# Altium PCB Carte_Alim.PcbDoc (part 1 of 2) (continued)
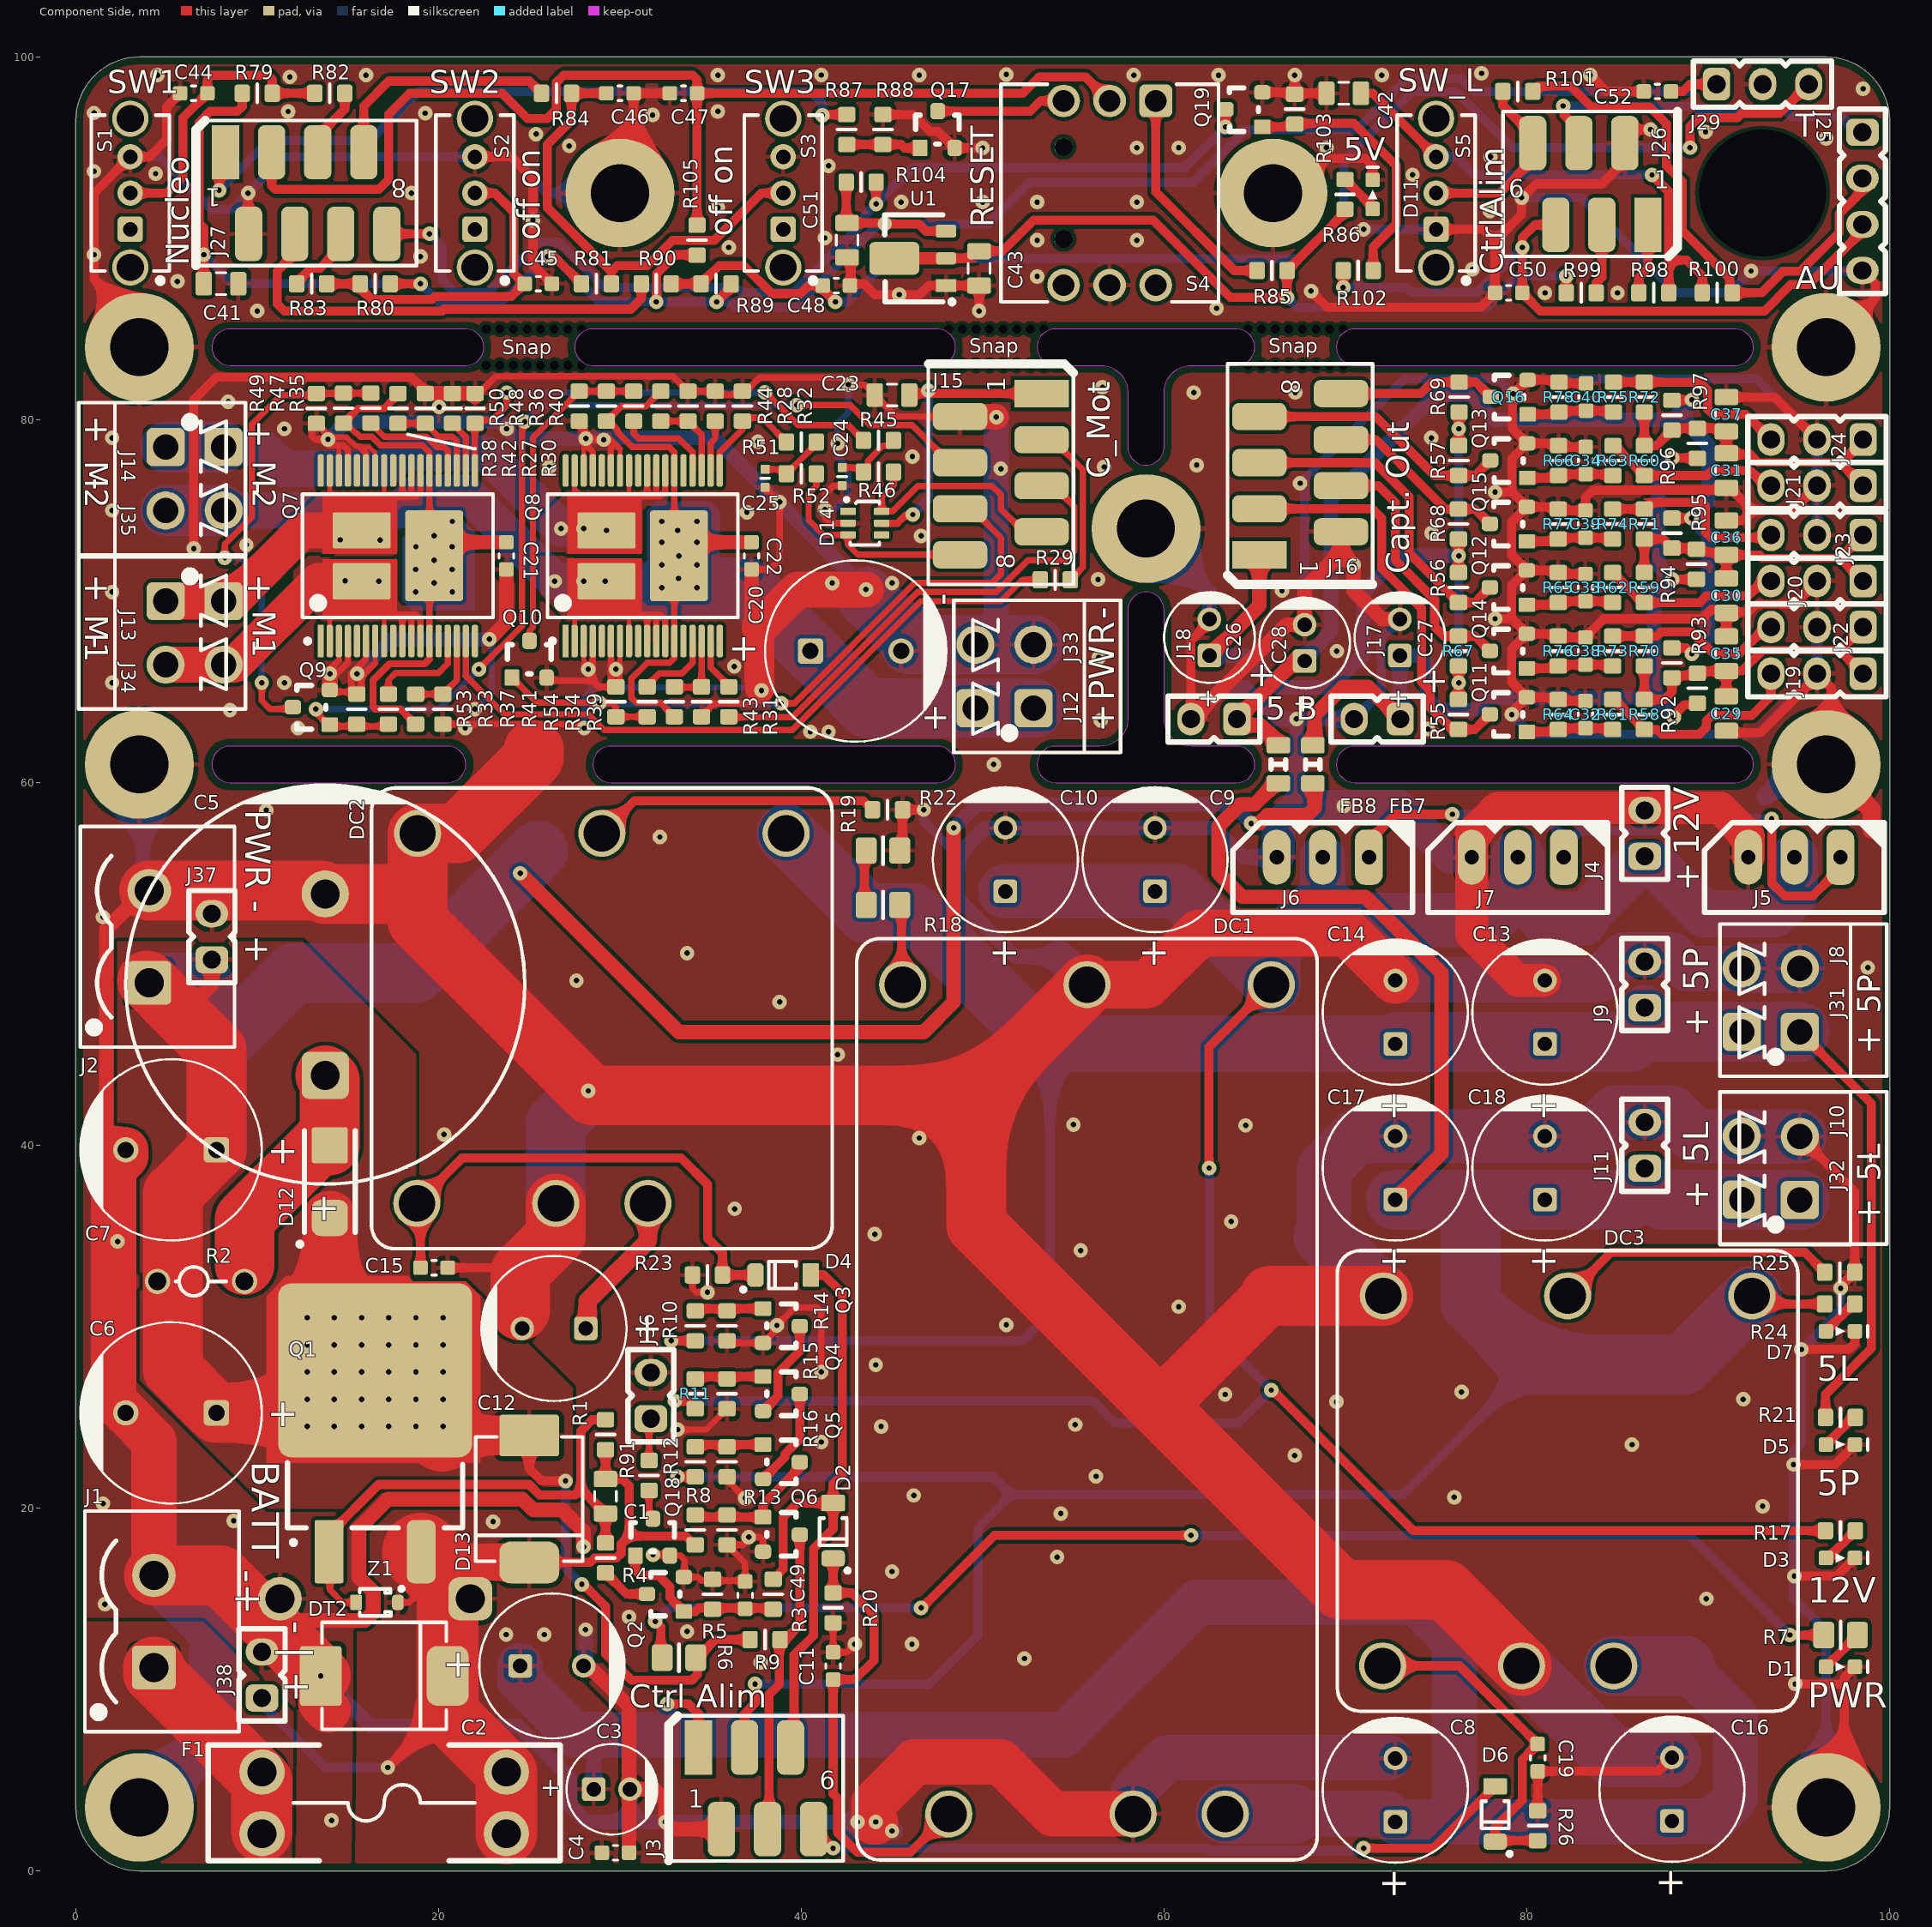
[diagram p0: Component Side view]
## Components (designator, comment, footprint, x,y, rotation, side; value= is the part's Value field where it differs from the comment) (continued)
Q16 "2N7002" SOT-23 79.02,81.25 r90 top
Q17 "2N7002" SOT-23 47.5,96 r0 top
Q18 "2N7002" SOT-23 31.8,18.396 r0 top
Q19 "2N7002" SOT-23 64.4,97.1 r90 top
R1 "RC0603FR-0710KL" RESC1608X06N 29.2,24.05 r270 top value=10k
R2 "1k" RESADV480W80L1200D390 6.9,32.5 r0 top
R3 "RC0603FR-0710KL" RESC1608X06N 38.45,15.25 r270 top value=10k
R4 "RC0603FR-0710KL" RESC1608X06N 29.2,17.25 r270 top value=10k
R5 "RC0603FR-0710KL" RESC1608X06N 35.1,15.25 r90 top value=10k
R6 "RC0805FR-072K7L" RESC2012X06N 33.25,11.75 r180 top value=2.7k
R7 "RC0805FR-072K7L" RESC2012X06N 97.3,13 r180 top value=2.7k
R8 "RC0603FR-0710KL" RESC1608X06N 34.15,18.8 r270 top value=10k
R9 "RC0603FR-071KL" RESC1608X06N 38,12.75 r180 top value=1k
R10 "RC0603FR-071KL" RESC1608X06N 34.15,30.05 r270 top value=1k
R11 "RC0603FR-071KL" RESC1608X06N 34.15,26.3 r270 top value=1k
R12 "RC0603FR-071KL" RESC1608X06N 34.15,22.55 r270 top value=1k
R13 "RC0603FR-0710KL" RESC1608X06N 35.9,18.8 r90 top value=10k
R14 "RC0603FR-0710KL" RESC1608X06N 35.9,30.05 r90 top value=10k
R15 "RC0603FR-0710KL" RESC1608X06N 35.9,26.3 r90 top value=10k
R16 "RC0603FR-0710KL" RESC1608X06N 35.9,22.55 r90 top value=10k
R17 "RC0603FR-071K8L" RESC1608X06N 97.29,18.75 r180 top value=1.8k
R18 "RC0805FR-072K7L" RESC2012X06N 44.5,53.25 r180 top value=2.7k
R19 "RC0805FR-072K7L" RESC2012X06N 44.5,56.25 r0 top value=2.7k
R20 "RC0603FR-0710KL" RESC1608X06N 41.75,14.5 r90 top value=10k
R21 "RC0603FR-071KL" RESC1608X06N 97.29,25 r0 top value=1k
R22 "RC0603FR-0710KL" RESC1608X06N 44.75,58.5 r0 top value=10k
R23 "RC0603FR-0710KL" RESC1608X06N 34.825,32.85 r0 top value=10k
R24 "RC0603FR-071KL" RESC1608X06N 97.25,31.25 r0 top value=1k
R25 "RC0603FR-0710KL" RESC1608X06N 97.25,33 r0 top value=10k
R26 "RC0603FR-0710KL" RESC1608X06N 80.6,2.49 r270 top value=10k
R27 "RC0603FR-0710KL" RESC1608X06N 20.759,80.625 r270 top value=10k
R28 "RC0603FR-0710KL" RESC1608X06N 35.25,80.75 r270 top value=10k
R29 "RC0603FR-071KL" RESC1608X06N 54,71.175 r180 top value=1k
R30 "RC0603FR-07620RL" RESC1608X06N 22.009,80.625 r270 top value=620
R31 "RC0603FR-071KL" RESC1608X06N 36,64.452 r90 top value=1k
R32 "RC0603FR-07620RL" RESC1608X06N 36.75,80.75 r270 top value=620
R33 "RC0603FR-071KL" RESC1608X06N 17.234,64.047 r90 top value=1k
R34 "RC0603FR-071KL" RESC1608X06N 31.5,64.453 r90 top value=1k
R35 "RC0603FR-071KL" RESC1608X06N 16.259,80.64 r270 top value=1k
R36 "RC0603FR-071KL" RESC1608X06N 30.75,80.75 r270 top value=1k
R37 "RC0603FR-0710KL" RESC1608X06N 18.734,64.047 r270 top value=10k
R38 "RC0603FR-0710KL" RESC1608X06N 17.759,80.625 r90 top value=10k
R39 "RC0603FR-0710KL" RESC1608X06N 33,64.453 r270 top value=10k
R40 "RC0603FR-0710KL" RESC1608X06N 32.25,80.75 r90 top value=10k
R41 "RC0603FR-071KL" RESC1608X06N 20.234,64.047 r90 top value=1k
R42 "RC0603FR-071KL" RESC1608X06N 19.259,80.625 r270 top value=1k
R43 "RC0603FR-071KL" RESC1608X06N 34.5,64.453 r90 top value=1k
R44 "RC0603FR-071KL" RESC1608X06N 33.75,80.75 r270 top value=1k
R45 "RC0603FR-0710KL" RESC1608X06N 44.25,78.865 r0 top value=10k
R46 "RC0603FR-071KL" RESC1608X06N 44.25,77.115 r0 top value=1k
R47 "RC0603FR-0710KL" RESC1608X06N 14.759,80.64 r270 top value=10k
R48 "RC0603FR-0710KL" RESC1608X06N 29.25,80.75 r270 top value=10k
R49 "RC0603FR-071K8L" RESC1608X06N 13.259,80.625 r90 top value=1.8k
R50 "RC0603FR-071K8L" RESC1608X06N 27.75,80.75 r90 top value=1.8k
R51 "RC0603FR-0710KL" RESC1608X06N 40,78.77 r0 top value=10k
R52 "RC0603FR-071KL" RESC1608X06N 40,77.02 r0 top value=1k
R53 "RC0603FR-0710KL" RESC1608X06N 15.484,64.047 r270 top value=10k
R54 "RC0603FR-0710KL" RESC1608X06N 29.776,64.453 r270 top value=10k
R55 "RC0603FR-0710KL" RESC1608X06N 76.23,63.75 r90 top value=10k
R56 "RC0603FR-0710KL" RESC1608X06N 76.23,70.75 r90 top value=10k
R57 "RC0603FR-0710KL" RESC1608X06N 76.25,77.75 r90 top value=10k
R58 "RC0603FR-0710KL" RESC1608X06N 86.48,63.75 r90 top value=10k
R59 "RC0603FR-0710KL" RESC1608X06N 86.48,70.75 r90 top value=10k
R60 "RC0603FR-0710KL" RESC1608X06N 86.48,77.75 r90 top value=10k
R61 "RC0603FR-0710KL" RESC1608X06N 84.73,63.75 r270 top value=10k
R62 "RC0603FR-0710KL" RESC1608X06N 84.73,70.75 r270 top value=10k
R63 "RC0603FR-0710KL" RESC1608X06N 84.75,77.75 r270 top value=10k
R64 "RC0603FR-0710KL" RESC1608X06N 81.73,63.75 r270 top value=10k
R65 "RC0603FR-0710KL" RESC1608X06N 81.73,70.75 r270 top value=10k
R66 "RC0603FR-0710KL" RESC1608X06N 81.75,77.75 r270 top value=10k
R67 "RC0603FR-0710KL" RESC1608X06N 76.23,67.25 r270 top value=10k
R68 "RC0603FR-0710KL" RESC1608X06N 76.23,74.25 r270 top value=10k
R69 "RC0603FR-0710KL" RESC1608X06N 76.27,81.25 r270 top value=10k
R70 "RC0603FR-0710KL" RESC1608X06N 86.48,67.25 r270 top value=10k
R71 "RC0603FR-0710KL" RESC1608X06N 86.48,74.25 r270 top value=10k
R72 "RC0603FR-0710KL" RESC1608X06N 86.48,81.25 r270 top value=10k
R73 "RC0603FR-0710KL" RESC1608X06N 84.73,67.25 r270 top value=10k
R74 "RC0603FR-0710KL" RESC1608X06N 84.73,74.25 r270 top value=10k
R75 "RC0603FR-0710KL" RESC1608X06N 84.77,81.25 r270 top value=10k
R76 "RC0603FR-0710KL" RESC1608X06N 81.73,67.25 r270 top value=10k
R77 "RC0603FR-0710KL" RESC1608X06N 81.73,74.25 r270 top value=10k
R78 "RC0603FR-0710KL" RESC1608X06N 81.77,81.25 r270 top value=10k
R79 "RC0603FR-0710KL" RESC1608X06N 10,98 r180 top value=10k
R80 "RC0603FR-0710KL" RESC1608X06N 16.5,87.5 r0 top value=10k
R81 "RC0603FR-0710KL" RESC1608X06N 28.7,87.5 r180 top value=10k
R82 "RC0603FR-0768RL" RESC1608X06N 14,98 r0 top value=68
R83 "RC0603FR-0768RL" RESC1608X06N 13,87.5 r180 top value=68
R84 "RC0603FR-0768RL" RESC1608X06N 26.5,98 r180 top value=68
R85 "RC0603FR-071KL" RESC1608X06N 65.95,88.225 r180 top value=1k
R86 "RC0603FR-071K8L" RESC1608X06N 69.975,92.424 r90 top value=1.8k
R87 "RC0603FR-0768RL" RESC1608X06N 42.5,96 r270 top value=68
R88 "RC0603FR-0710KL" RESC1608X06N 44.5,96 r270 top value=10k
R89 "RC0603FR-0710KL" RESC1608X06N 35.3,87.5 r0 top value=10k
R90 "RC0603FR-0768RL" RESC1608X06N 32,87.5 r180 top value=68
R91 "RC0603FR-0768RL" RESC1608X06N 31.6,21.8 r90 top value=68
R92 "RC0603FR-070RL" RESC1608X06N 88,66.6 r270 top value=0
R93 "RC0603FR-070RL" RESC1608X06N 89.4,65.2 r90 top value=0
R94 "RC0603FR-070RL" RESC1608X06N 88,73.75 r270 top value=0
R95 "RC0603FR-070RL" RESC1608X06N 89.35,72.04 r90 top value=0
R96 "RC0603FR-070RL" RESC1608X06N 88,80.25 r270 top value=0
R97 "RC0603FR-070RL" RESC1608X06N 89.4,78.7 r90 top value=0
R98 "RC0603FR-070RL" RESC1608X06N 87,87 r0 top value=0
R99 "RC0603FR-070RL" RESC1608X06N 83,87 r180 top value=0
R100 "RC0603FR-070RL" RESC1608X06N 90.5,87 r0 top value=0
R101 "RC0603FR-070RL" RESC1608X06N 79.5,98.1 r0 top value=0
R102 "RC0603FR-0710KL" RESC1608X06N 70.7,88.232 r180 top value=10k
R103 "RC0603FR-0710KL" RESC1608X06N 67.2,97.125 r270 top value=10k
R104 "RC0603FR-0710KL" RESC1608X06N 43.3,93.1 r180 top value=10k
R105 "RC0603FR-0710KL" RESC1608X06N 34.25,89.9 r270 top value=10k
S1 "OS102011MS2QN1" SW_OS102011MS2QN1 3,92.5 r90 top locked
S2 "OS102011MS2QN1" SW_OS102011MS2QN1 22,92.5 r90 top locked
S3 "OS102011MS2QN1" SW_OS102011MS2QN1 39,92.5 r90 top locked
S4 "440GS67082622" 440xx67082622 57,92.5 r90 top locked
S5 "OS102011MS2QN1" SW_OS102011MS2QN1 75,92.5 r90 top locked
U1 "HT7533-1" SOT89-150P350X160-3N 45.85,88.9 r180 top value=3.3V
Z1 "MM3Z15VST1G" SOD-323 16.6,14.8 r0 top value=14.6V

## Footprints (in the part's own frame and the unit in brackets; to place one, negate y for a bottom-side part, rotate by r counter-clockwise, add the part's x,y. Pads: shape width x height; smd on the part's side, far side on the other; paste and mask are expansions set on the pad)
20-03-5035 [mil]
  rrect70% 60x120 hole 31.5: 1(100,25)
  oval 60x120 hole 31.5: 2(0,25) 3(-100,25)
  silkscreen extent -195,-95 195,100, body extent -195,-96 194,97, height 234
22-03-2021 [mm]
  rrect50% 1.5x1.8 hole 1: 1(1.27,0)
  oval 1.5x1.8 hole 1: 2(-1.27,0)
  silkscreen extent -2.54,-1.27 2.54,1.27, body extent -2.54,-1.27 2.54,1.27, height 11.6
22-03-2031 [mm]
  rrect50% 1.5x1.8 hole 1: 1(2.54,0)
  oval 1.5x1.8 hole 1: 2(0,0) 3(-2.54,0)
  silkscreen extent -3.81,-1.27 3.81,1.27, body extent -3.81,-1.27 3.81,1.27, height 11.6
22-03-2041 [mm]
  rrect50% 1.5x1.8 hole 1: 1(3.81,0)
  oval 1.5x1.8 hole 1: 2(1.27,0) 3(-1.27,0) 4(-3.81,0)
  silkscreen extent -5.08,-1.27 5.08,1.27, body extent -5.08,-1.27 5.08,1.27, height 11.6
440xx67082622 [mm]
  rrect30% 1.8x1.8 hole 1.2: 1(5.08,-2.54)
  round 1.8 hole 1.2: 2(5.08,2.54) 3(-5.08,2.54) 4(-5.08,-2.54) A(5.08,0) B(-5.08,0)
  round 1 hole 1 unplated: MH1(-2.54,2.54) MH2(2.54,2.54)
  silkscreen extent -6,-6 6,6, body extent -6,-6 6,6, height 8.3
3557-2 [mm] "Fuse holder"
  round 2.5 hole 1.6: 1(-6.735,1.7) 2(6.735,1.7) 3(-6.735,-1.7) 4(6.735,-1.7)
  silkscreen extent -9.7,-3.2 9.7,3.2, body extent -9.91,-3.38 9.91,3.36, height 7.39
690367280676 [mm] "6 pins, SMT, straight, without Latch"
  rect 1.5x3 smd: 1(3.175,-2.25)
  rrect50% 1.5x3 smd: 2(1.905,2.25) 3(0.635,-2.25) 4(-0.635,2.25) 5(-1.905,-2.25) 6(-3.175,2.25)
  silkscreen extent -4.81,-4 4.81,4, body extent -4.81,-5 4.81,3.5, height 5.75
690367280876 [mm] "8 pins, SMT, straight, without Latch"
  rect 1.5x3 smd: 1(4.445,-2.25)
  rrect50% 1.5x3 smd: 2(3.175,2.25) 3(1.905,-2.25) 4(0.635,2.25) 5(-0.635,-2.25) 6(-1.905,2.25) 7(-3.175,-2.25) 8(-4.445,2.25)
  silkscreen extent -6.08,-4 6.08,4, body extent -6.08,-5 6.08,3.5, height 5.75
691311500102 [mm] "5,08mm - PCB Headers - Vertical - Closed ends -02p"
  rrect20% 2.4x2.4 hole 1.6: 1(-2.54,0.45)
  round 2.4 hole 1.6: 2(2.54,0.45)
  silkscreen extent -6.08,-4.25 6.08,4.25, body extent -6.08,-4.25 6.08,4.25, height 12.05
691321100002 [mm] "Vertical PCB Header, pitch 3.5mm, 02p"
  rrect30% 2.1x2.1 hole 1.4: 1(-1.75,-0.8)
  round 2.1 hole 1.4: 2(1.75,-0.8)
  silkscreen extent -4.2,-3.6 4.2,3.6, body extent -4.2,-3.6 4.2,3.6, height 9.3
691322110002 [mm] "Horizontal PCB Header, pitch 3.5mm, 02p"
  rrect30% 2.1x2.1 hole 1.4: 1(-1.75,3.4)
  round 2.1 hole 1.4: 2(1.75,3.4)
  silkscreen extent -4.2,-4.6 4.2,4.6, body extent -4.2,-4.6 4.2,4.6, height 7.3
RESADV480W80L1200D390 [mm] "Wirebound Resistor pitch 4.8mm Radial tape"
  round 1.4 hole 1: 1(-2.4,0) 2(2.4,0)
  silkscreen extent -1.4,-0.8 1.4,0.8, body extent -4.22,-2.4 2.43,2.6, height 20.3
RESC1608X06N [mm] "Chip Resistor, 2-Leads, Body 1,6x0,8mm, IPC Medium Density"
  rrect30% 0.85x0.95 smd: 1(-0.825,0) 2(0.825,0)
  silkscreen extent 0,-0.5 0,0.5, body extent -0.78,-0.42 0.77,0.42, height 0.45
RESC2012X06N [mm] "Chip Resistor, 2-Leads, Body 2,0x1,3mm, IPC Medium Density"
  rrect30% 1.15x1.45 smd: 1(-0.925,0) 2(0.925,0)
  silkscreen extent 0,-0.75 0,0.75, body extent -1,-0.63 1,0.62, height 0.45
SC70-6L [mm] "TVS Diode, package SC70-6L"
  rect 0.4x0.85 smd: 1(-0.65,-0.925)
  rrect30% 0.4x0.85 smd: 2(0,-0.925) 3(0.65,-0.925) 4(0.65,0.925) 5(0,0.925) 6(-0.65,0.925)
  silkscreen extent -1.4,-1.1 1.2,0.8, body extent -1,-1.1 1,1.1, height 1
"SMA, DO-214AC" [mm] "Case 403D-02"
  rrect15% 2x2 smd: 1(2,0)
  rrect50% 2x2 smd: 2(-2,0)
  silkscreen extent -3.57,-1.4 2.81,1.77, body extent -2.6,-1.3 2.6,1.3, height 2.4
"SMC, DO-214AB" [mm] "WE-TVSP Power TVS Diode, DO-214AB, Unidirectional"
  rrect15% 2.3x3.3 smd: 1(3.5,0)
  rrect50% 2.3x3.3 smd: 2(-3.5,0)
  silkscreen extent -3.43,-2.95 3.43,2.95, body extent -3.97,-2.95 3.97,2.95, height 2.5
SMCW_0603 [mm] "Chip LED, 2-Leads, Body 1.6x0.8mm, IPC Medium Density"
  rrect30% 0.8x0.8 smd: 1(-0.8,0) 2(0.8,0)
  silkscreen extent -1.5,-0.3 0.25,0.3, body extent -0.8,-0.4 0.8,0.4, height 0.7
SOD-123FL [mm] "SOD-123FL"
  rrect15% 0.9x1.3 smd: 1(-1.525,0)
  rrect50% 0.9x1.3 smd: 2(1.525,0)
  silkscreen extent -0.7,-0.75 2.3,0.9, body extent -1.8,-0.82 1.8,0.82, height 0.95
SOD-323 [mm] "SOD-323/SC-76; 2 Leads; Body 1.7 x 1.3 mm, (LxW)"
  rrect15% 0.63x0.83 smd: 1(-1.15,0)
  rrect50% 0.63x0.83 smd: 2(1.15,0)
  silkscreen extent -0.95,-0.75 1.45,0.85, body extent -1.35,-0.63 1.35,0.63, height 1.1
SOT89-150P350X160-3N [mm] "SOT89, 3-Leads, Body 4.5x4.1mm, Pitch 1.5mm, Lead Span 1.05mm, IPC Medium Density"
  rect 1.1x0.7 smd paste-0.05 mask+0.102: 1(-2.127,1.5)
  rrect50% 1.1x0.7 smd paste-0.05 mask+0.102: 2(-2.128,0)
  rrect30% 2.75x1.8 smd paste-10: 2(0.728,0)
  rrect30% 1.1x0.7 smd paste-0.05 mask+0.102: 3(-2.127,-1.5)
  Component Side region: -1.8,-0.351 -0.5,-0.351 -0.5,0.348 -1.8,0.348
  silkscreen extent -2.57,-2.4 1.25,2.52, body extent -2.4,-2.25 1.9,2.25, height 1.53
SOT-23 [mm]
  rrect15% 0.8x0.9 smd: 1(-0.953,-1.016)
  rrect50% 0.8x0.9 smd: 2(0.953,-1.016) 3(0.013,1.016)
  silkscreen extent -1.2,-0.8 1.2,0.8, body extent -1.5,-1.13 1.5,1.13, height 1.22
SSOP50P1030X247-36N [mm] "SSOP, 36-Leads, Body 10,30x7,50mm, Pitch 0,50mm, IPC Medium Density"
  rrect30% 1.8x0.35 smd: 1(-4.7,4.25)
  rrect70% 1.8x0.35 smd: 2(-4.7,3.75) 3(-4.7,3.25) 4(-4.7,2.75) 5(-4.7,2.25) 6(-4.7,1.75) 7(-4.7,1.25) 8(-4.7,0.75) 9(-4.7,0.25) 10(-4.7,-0.25) 11(-4.7,-0.75) 12(-4.7,-1.25) 13(-4.7,-1.75) 14(-4.7,-2.25) 15(-4.7,-2.75) 16(-4.7,-3.25) 17(-4.7,-3.75) 18(-4.7,-4.25) 19(4.7,-4.25) 20(4.7,-3.75) 21(4.7,-3.25) 22(4.7,-2.75) 23(4.7,-2.25) 24(4.7,-1.75) 25(4.7,-1.25) 26(4.7,-0.75) 27(4.7,-0.25) 28(4.7,0.25) 29(4.7,0.75) 30(4.7,1.25) 31(4.7,1.75) 32(4.7,2.25) 33(4.7,2.75) 34(4.7,3.25) 35(4.7,3.75) 36(4.7,4.25)
  rrect10% 5x3.2 smd: 37(0,-2)
  rrect10% 2x3.2 smd: 38(-1.4,2) 39(1.4,2)
  silkscreen extent -4.82,-5.25 3.4,5.25, body extent -5.17,-5.15 5.17,5.15, height 2.31
SW_OS102011MS2QN1 [mm]
  rrect30% 1.4x1.4 hole 0.8: 1(-2,0)
  round 1.4 hole 0.8: 2(0,0) 3(2,0)
  round 2 hole 1.5: None(-4.1,0) None(4.1,0)
  silkscreen extent -4.98,-2.15 4.3,2.15, body extent -4.31,-2.16 4.29,2.14, height 8
"TEN 60" [mm]
  round 2.6 hole 2: 1(22.86,7.62) 2(22.86,2.54) 3(22.86,-7.62) 4(-22.86,10.16) 5(-22.86,0) 6(-22.86,-10.16)
  silkscreen extent -25.4,-12.7 25.4,12.7, body extent -25.4,-12.7 25.4,12.7, height 10.2
"THN 15WI" [mm]
  round 2.6 hole 2: 1(-2.54,10.2) 2(2.54,10.2) 3(-10.16,-10.2) 4(0,-10.2) 5(10.16,-10.2) 6(10.2,10.2)
  silkscreen extent -12.7,-12.7 12.7,12.7, body extent -12.7,-12.7 12.7,12.7, height 9.9
"THN 30WI-A1" [mm]
  round 2.6 hole 2: 1(-2.54,10.2) 2(2.54,10.2) 3(-10.16,-10.2) 4(0,-10.2) 5(10.16,-10.2) 6(10.2,10.2)
  silkscreen extent -12.7,-12.7 12.7,12.7, body extent -12.7,-12.7 12.7,12.7, height 9.9
"TO263AB, D2PAK" [mm]
  rrect15% 1.6x3.5 smd: 1(-2.54,-5)
  rrect50% 1.6x3.5 smd: 3(2.54,-5)
  rrect15% 10.7x9.6 smd: 4(0,5)
  silkscreen extent -4.83,-4.62 4.83,-0.1, body extent -5.05,-6.64 4.95,9.25, height 4.3
WCAP-ATG8_5x11x2x0.5 [mm] "Polarized capacitors, Aluminum Electrolytic Capacitors, 2-Leads, Body 5x11x2x0.5"
  rrect30% 1.3x1.3 hole 0.8: 1(1,0)
  round 1.3 hole 0.8: 2(-1,0)
  silkscreen extent -2.51,-2.5 2.5,2.5, body extent -2.49,-2.5 2.5,2.5, height 11.11
WCAP-ATG8_8x11.5x3.5x0.5 [mm] "Polarized capacitors, Aluminum Electrolytic Capacitors, 2-Leads, Body 8x11.5x3.5x0.5"
  rrect30% 1.3x1.3 hole 0.8: 1(1.75,0)
  round 1.3 hole 0.8: 2(-1.75,0)
  silkscreen extent -4,-4 4,4, body extent -3.99,-4 4,4, height 11.61
WCAP-ATG8_10x12.5x5x0.6 [mm] "Polarized capacitors, Aluminum Electrolytic Capacitors, 2-Leads, Body 10x12.5x5x0.6"
  rrect30% 1.4x1.4 hole 0.9: 1(2.5,0)
  round 1.4 hole 0.9: 2(-2.5,0)
  silkscreen extent -5.02,-5 5,5, body extent -4.99,-5 5,5, height 12.61
WCAP-ATG8_22x41x10x0.8 [mm] "Polarized capacitors, Aluminum Electrolytic Capacitors, 2-Leads, Body 22x41x10x0.8"
  rrect30% 2.6x2.6 hole 1.6: 1(5,0)
  round 2.6 hole 1.6: 2(-5,0)
  silkscreen extent -11.04,-11 11,11, body extent -10.99,-11 11,11, height 41.11
"WCAP-CSGP_0402, 1x0.5x0.5" [mm] "WCAP-CSGP Ceramic Capacitors, size 0402, body 1x0.5x0.5"
  rrect30% 0.5x0.5 smd: 1(-0.5,0) 2(0.5,0)
  silkscreen extent 0,-0.25 0,0.25, body extent -0.5,-0.26 0.5,0.26, height 0.52
"WCAP-CSGP_0603, 1.6x0.8x0.8" [mm] "WCAP-CSGP Ceramic Capacitors, size 0603, body 1.6x0.8x0.8"
  rrect30% 0.8x0.8 smd: 1(-0.75,0) 2(0.75,0)
  silkscreen extent -0.13,-0.4 0.13,0.4, body extent -1,-0.39 1,0.39, height 0.8
"WCAP-CSGP_0805, 2x1.25x1.25" [mm] "WCAP-CSGP Ceramic Capacitors, size 0805, body 2x1.25x1.25"
  rrect30% 0.9x1.3 smd: 1(-0.95,0) 2(0.95,0)
  silkscreen extent -0.28,-0.6 0.28,0.6, body extent -1,-0.63 1,0.62, height 1.25
"WE-CBF_0805_High Current" [mm] "SMD EMI Suppression Ferrite  Bead, body 2.0mmx1.2mm"
  rrect30% 0.9x1.3 smd: 1(-1.05,0) 2(1.05,0)
  silkscreen extent -0.25,-0.4 0.25,0.4, body extent -1,-0.6 1,0.6, height 0.93
